# Altium PCB AN_IF_Converter_V1.0.PcbDoc (part 2 of 2)
Units mm, origin at the board's own origin, x right, y up, seen from the top; angles counter-clockwise.
Board outline 67.8 x 86.9 mm, 4 copper layers (Top Layer, Ground Plane, Power Plane, Bottom Layer), stack 1.466 mm thick; 149 components, 113 nets, 471 pads, 353 vias.
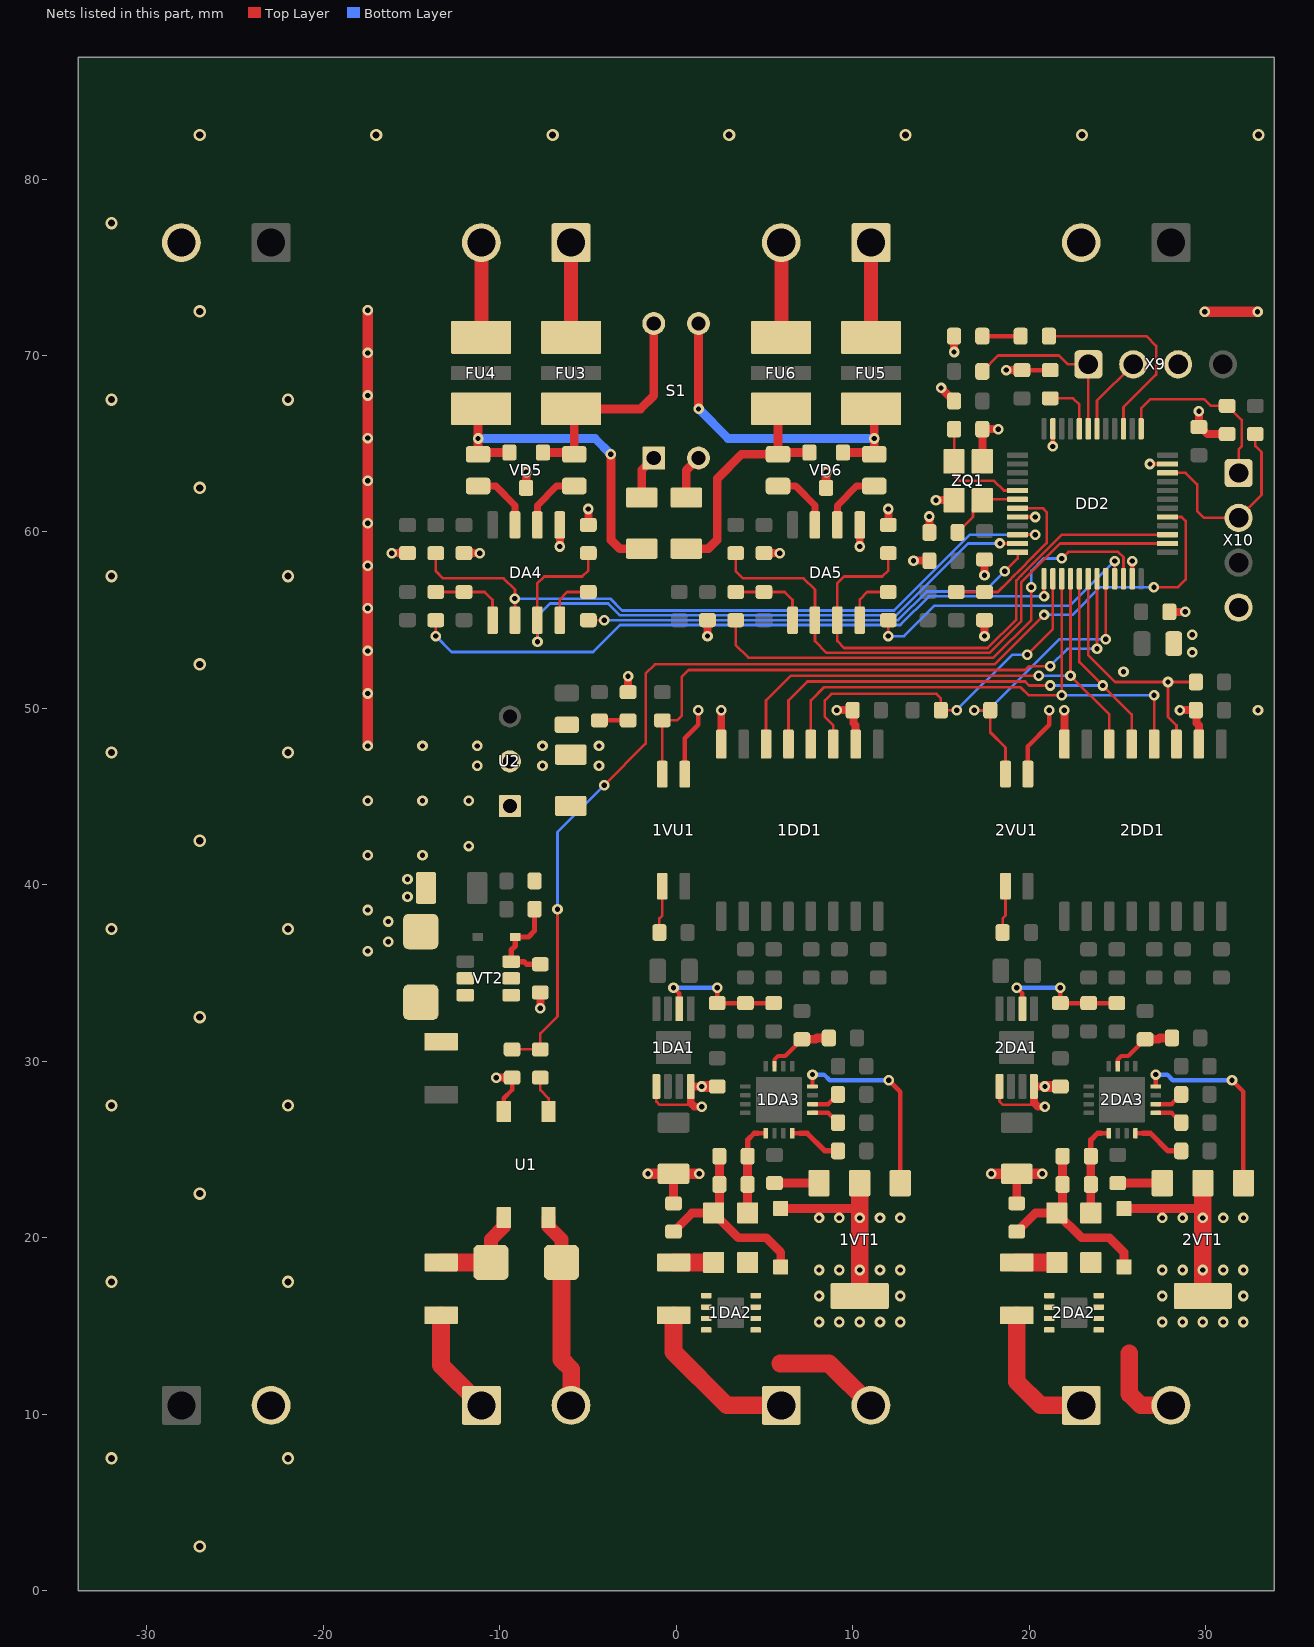
[diagram p4: the nets of this part, all layers, seen from the top]

## Via types
v1: diameter 0.6, hole 0.3, Top Layer to Bottom Layer, tented both sides, 284 vias
v2: diameter 0.7, hole 0.4, Top Layer to Bottom Layer, tented both sides, 59 vias
v3: diameter 0.6, hole 0.3, Top Layer to Bottom Layer, 10 vias

## Nets (pads, with @x,y where several pads share a name; then routed paths per layer and width w, separated by ;. In a path a pad name is that pad's centre, name@x,y a point inside that pad or via, vN(x,y) a via of type N, cw(c..) or ccw(c..) an arc to the next point about the centre after c; other vN are vias at no path point) (continued)
GND: 1C7.2 1DD1.2 1DD1.8 1VU1.3 2C7.2 2DD1.2 2DD1.8 2VU1.3 C14.2 C15.2 C16.2 C17.1 C18.1 C19.1 C20.1 C21.1 C22.1 C23.2 C24.2 C25.2 C26.2 C27.2 C28.1 C29.2 C30.2 DA4.5 DA5.5 DD2.8 DD2.23 DD2.35 DD2.47 HL1.1 HL2.1 R12.2 R16.2 R17.2 R29.2 R37.2 R40.2 U1.2 U2.2 VD5.3 VD6.3 VD8.2 X6.2 X7.2 X8.2 X9.3 X10.4 ZQ1.2 | length 79.3
  Top Layer w0.25: U1.2@-9.77,27.15 -9.77,27.905 -9.3,28.375 R12.2@-9.3,29.075 ; 1VU1.3@0.485,46.275 0.485,48.31 1.25,49.075 v1(1.25,49.9) ; DD2.8@19.35,60.85 v1(20.35,60.85) ; C20.1@19.6,69.175 R17.2@21.2,69.175 ; 2VU1.3@19.935,46.275 19.935,47.86 21.15,49.075 v1(21.15,49.9) ; v1(21.35,64.85) DD2.47@21.35,65.85 ; DD2.23@25.85,57.35 v1(25.85,58.35) ; v1(26.85,63.85) DD2.35@27.85,63.85
  Top Layer w0.45: v1(-16.125,58.8) C29.2@-15.225,58.8 ; C24.2@-12.025,58.8 v1(-11.125,58.8) ; v1(-10.2,29.075) R12.2@-9.3,29.075 ; v1(-7.7,33) R40.2@-7.7,33.9 ; v1@-6.595,59.18 DA4.5@-6.595,60.4 ; R29.2@-4.975,60.4 v1(-4.975,61.3) ; HL2.1@-2.725,50.925 v1(-2.725,51.825) ; v1(1.775,54.1) C30.2@1.775,55 ; 1DD1.8@2.555,47.975 v1@2.555,49.964 ; C25.2@4.975,58.8 v1(5.875,58.8) ; v1(9.1,49.9) 1C7.2@10,49.9 ; 1C7.2@10.045,49.875 10.045,49.175 10.175,49.045 1DD1.2@10.175,47.975 ; v1@10.405,59.18 DA5.5@10.405,60.4 ; R37.2@12.025,60.4 v1(12.025,61.3) ; v1(13.45,58.375) C23.2@14.35,58.375 ; C15.2@14.35,59.975 v1(14.35,60.875) ; v1(14.725,61.8) ZQ1.2@15.75,61.8 ; v1(15.012,68.162) C17.1@15.75,67.425 ; v1(15.75,70.2) HL1.1@15.75,71.1 ; ZQ1.2@17.35,64 C14.2@17.35,65.825 v1(18.25,65.825) ; v1(17.475,54.1) C16.2@17.475,55 ; v1(17.475,57.55) C22.1@17.475,58.45 ; v1(18.7,69.175) C20.1@19.6,69.175 ; 2DD1.8@22.005,47.975 v1@22.005,49.964 ; C18.1@27.95,55.475 v1(28.85,55.475) ; v1(28.55,49.9) 2C7.2@29.45,49.9 ; 2C7.2@29.495,49.875 29.495,49.175 29.625,49.045 2DD1.2@29.625,47.975 ; v1(29.625,66.85) C19.1@29.625,65.95 29.7,65.95 30.1,65.55 R16.2@31.225,65.55
  Top Layer w0.5: VD5.3@-8.5,62.5 v1(-8.5,63.4) ; VD6.3@8.5,62.5 v1(8.5,63.4)
  Top Layer w0.6: v1(-17.475,47.875) v1(-17.475,50.848) v1(-17.475,53.26) v1(-17.475,55.672) v1(-17.475,58.085) v1(-17.475,60.497) v1(-17.475,62.909) v1(-17.475,65.322) v1(-17.475,67.734) v1(-17.475,70.146) v1(-17.475,72.558) ; v1(29.95,72.475) v1(32.95,72.475)
  other v1: -17.475,36.25 -16.325,36.775 -16.325,37.925 -17.475,38.575 -15.225,39.325 -15.225,40.325 -17.475,41.675 -14.375,41.675 -11.75,42.2 -17.475,44.775 -14.375,44.775 -11.75,44.775 -11.275,46.75 -7.575,46.75 -4.375,46.75 -14.375,47.875 -11.275,47.875 -7.575,47.875 -4.375,47.875 2.55,49.9 22,49.9 32.975,49.9 25.35,52.075 29.25,53.175 29.25,54.175 -6.59,59.175 10.41,59.175
  other v2: -27,2.5 -32,7.5 -22,7.5 -32,17.5 -22,17.5 -27,22.5 -32,27.5 -22,27.5 -27,32.5 -32,37.5 -22,37.5 -27,42.5 -32,47.5 -22,47.5 -27,52.5 -32,57.5 -22,57.5 -27,62.5 -32,67.5 -22,67.5 -27,72.5 -32,77.5 -27,82.5 -17,82.5 -7,82.5 3,82.5 13,82.5 23,82.5 33,82.5
MCU_BOOT0: DD2.44 R17.1 | length 3.2
  Top Layer w0.15: R17.1@21.2,67.575 22.5,67.575 22.85,67.225 DD2.44@22.85,65.85
MCU_DAC1_nCS: 2DD1.3 DD2.18 R18.1 | length 14.8
  Top Layer w0.15: DD2.18@23.35,57.35 23.35,53.025 24.875,51.5 v1(27.875,51.5) ; 2DD1.3@28.355,47.975 28.355,49.045 27.875,49.525 v1(27.875,51.5) ; R18.1@29.45,51.5 v1(27.875,51.5)
MCU_DAC1_nERR: 2VU1.4 DD2.20 R20.1 | length 17.4
  Top Layer w0.15: v1(16.9,49.9) R20.1@17.8,49.9 ; R20.1@17.79,49.89 R20.1@17.8,49.9 ; 2VU1.4@18.665,46.275 18.665,47.785 17.8,48.65 R20.1@17.8,49.9 ; v1(24.35,53.925) DD2.20@24.35,57.35
  Bottom Layer w0.15: v1(16.9,49.9) 17.7,49.9 21.725,53.925 v1(24.35,53.925)
MCU_DAC2_nCS: 1DD1.3 DD2.14 R19.1 | length 21.3
  Top Layer w0.15: 1DD1.3@8.905,47.975 8.905,49.045 8.425,49.525 8.425,50.45 8.8,50.825 14.75,50.825 15,50.575 R19.1@15,49.9 v1(15.9,49.9) ; v1(19.9,53.05) 21.35,54.5 DD2.14@21.35,57.35
  Bottom Layer w0.15: v1(15.9,49.9) 19.05,53.05 v1(19.9,53.05)
MCU_DAC2_nERR: 1VU1.4 DD2.19 R21.1 | length 34.6
  Top Layer w0.15: 1VU1.4@-0.8,46.29 1VU1.4@-0.785,46.275 R21.1@-0.785,49.325 0.05,49.325 0.325,49.6 0.325,51.8 0.7,52.175 19.775,52.175 20,52.4 v1(21.2,52.4) ; v1(23.85,53.375) DD2.19@23.85,57.35
  Bottom Layer w0.15: v1(21.2,52.4) 22.175,53.375 v1(23.85,53.375)
MCU_DBG_RX: DD2.43 R13.1 X9.1 | length 10.3
  Top Layer w0.15: R13.1@17.35,69.1 18.25,70 21.7,70 22.2,69.5 X9.1@23.365,69.5 23.35,69.485 DD2.43@23.35,65.85
MCU_DBG_TX: DD2.42 X9.2 | length 4.5
  Top Layer w0.15: DD2.42@23.85,65.85 23.85,67.445 X9.2@25.905,69.5
MCU_LED: DD2.39 R14.1 | length 11.8
  Top Layer w0.15: R14.1@21.125,71.1 26.65,71.1 27.2,70.55 27.2,68.925 25.35,67.075 DD2.39@25.35,65.85
MCU_nRST: C16.1 DD2.7 R22.1 | length 9.8
  Top Layer w0.15: R22.1@15.875,56.6 C16.1@17.475,56.6 18.225,56.6 18.85,57.225 19.125,57.5 19.425,57.8 20.225,58.6 21,59.375 21,61.125 20.775,61.35 DD2.7@19.35,61.35
MCU_OCSIN: C14.1 DD2.5 ZQ1.3 | length 6.6
  Top Layer w0.15: C14.1@15.75,65.825 ZQ1.3@15.75,64 15.75,63.2 16.05,62.9 18.025,62.9 18.575,62.35 DD2.5@19.35,62.35
MCU_OCSOUT: C15.1 DD2.6 ZQ1.1 | length 3.7
  Top Layer w0.15: C15.1@15.95,59.975 16.825,60.85 ZQ1.1@16.825,61.3 ; ZQ1.1@17.35,61.8 17.4,61.85 DD2.6@19.35,61.85
MCU_PULSE: DD2.29 R11.2 R12.1 | length 62.6
  Top Layer w0.15: R12.1@-9.3,30.675 R11.2@-7.7,30.675 -7.7,31.575 -6.725,32.55 v1(-6.725,38.625) ; v1(-4.075,45.65) -1.725,48 -1.725,51.975 -1.2,52.5 18.05,52.5 v1(20.85,55.3) ; v1(27.075,56.875) 28.45,56.875 28.875,57.3 28.875,60.625 28.65,60.85 DD2.29@27.85,60.85
  Bottom Layer w0.15: v1(-6.725,38.625) -6.725,43 v1(-4.075,45.65) ; v1(20.85,55.3) 22.45,55.3 24.025,56.875 v1(27.075,56.875)
MCU_SPI1_MISO: 1DD1.6 2DD1.6 DD2.16 | length 30.6
  Top Layer w0.15: 1DD1.6@5.095,47.975 5.095,50.46 6.485,51.85 v1(20.55,51.85) ; DD2.16@22.35,57.35 v1(22.35,51.85) 24.545,49.655 2DD1.6@24.545,47.975
  Bottom Layer w0.15: v1(20.55,51.85) v1(22.35,51.85)
MCU_SPI1_MOSI: 1DD1.5 2DD1.5 DD2.17 | length 31.4
  Top Layer w0.15: 1DD1.5@6.365,47.975 6.365,50.46 7.43,51.525 19.775,51.525 20,51.3 v1(21.2,51.3) ; DD2.17@22.85,57.35 22.85,52.62 25.815,49.655 2DD1.5@25.815,47.975
  Bottom Layer w0.15: v1(21.2,51.3) v1(24.175,51.3)
MCU_SPI1_SCK: 1DD1.4 2DD1.4 DD2.15 | length 31.8
  Top Layer w0.15: 1DD1.4@7.635,47.975 7.635,50.46 8.375,51.2 19.525,51.2 19.975,50.75 v1(21.85,50.75) DD2.15@21.85,57.35 ; 2DD1.4@27.085,47.975 v1(27.085,50.75)
  Bottom Layer w0.15: v1(21.85,50.75) v1(27.085,50.75)
MCU_SWCLK: DD2.37 R16.1 X10.1 | length 10.6
  Top Layer w0.15: DD2.37@26.35,65.85 26.35,67 26.875,67.525 29.925,67.525 30.3,67.15 R16.1@31.225,67.15 31.254,67.15 32.05,66.354 32.05,64.85 31.875,64.675 X10.1@31.875,63.34
MCU_SWDIO: DD2.34 R15.1 X10.2 | length 11.4
  Top Layer w0.15: DD2.34@27.85,63.35 28.875,63.35 29.525,62.7 29.525,61.2 29.925,60.8 X10.2@31.875,60.8 33.175,62.1 33.175,64.525 32.825,64.875 R15.1@32.825,65.55
MCU_UART2_DE: DA4.3 DD2.11 R29.1 | length 38.4
  Top Layer w0.15: v1@-7.865,53.775 DA4.3@-7.865,55 -7.875,55.01 -7.875,57.075 -7.475,57.475 -5.325,57.475 -4.975,57.825 R29.1@-4.975,58.8 ; v1(18.35,59.35) DD2.11@19.35,59.35
  Bottom Layer w0.15: v1(-7.86,53.775) -7.86,55.24 -7.15,55.95 -3.85,55.95 -3.175,55.275 12.464,55.275 16.539,59.35 v1(18.35,59.35)
MCU_UART2_nRE: DA4.2 DD2.10 R23.2 | length 40.2
  Top Layer w0.15: R23.2@-13.625,58.8 -13.625,57.775 -13.225,57.375 -9.775,57.375 -9.135,56.735 DA4.2@-9.135,55 ; DD2.10@19.35,59.85 v1(20.35,59.85)
  Bottom Layer w0.15: v1(-9.14,56.225) -3.736,56.225 -3.061,55.55 12.35,55.55 16.65,59.85 v1(20.35,59.85)
MCU_UART2_RX: DD2.13 R26.2 | length 38.1
  Top Layer w0.15: v1(-13.625,54.1) R26.2@-13.625,55 ; v1(20.85,56.35) DD2.13@20.85,57.35
  Bottom Layer w0.15: v1(-13.625,54.1) -12.725,53.2 -4.7,53.2 -3.175,54.725 12.692,54.725 12.742,54.775 14.317,56.35 19.75,56.35 v1(20.85,56.35)
MCU_UART2_TX: DD2.12 R28.2 | length 26.1
  Top Layer w0.15: R28.2@-4.975,55 v1(-4.075,55) ; v1(18.625,57.775) 19.35,58.5 DD2.12@19.35,58.85
  Bottom Layer w0.15: v1(-4.075,55) 12.578,55 14.203,56.625 17.475,56.625 v1(18.625,57.775)
MCU_UART3_DE: DA5.3 DD2.27 R37.1 | length 30.3
  Top Layer w0.15: R37.1@12.025,58.8 12.025,57.825 11.675,57.475 9.525,57.475 9.125,57.075 9.125,55.01 DA5.3@9.135,55 9.135,53.815 9.525,53.425 17.65,53.425 19.275,55.05 19.275,57.261 19.55,57.536 21.864,59.85 DD2.27@27.85,59.85
MCU_UART3_nRE: DA5.2 DD2.26 R31.2 | length 33
  Top Layer w0.15: R31.2@3.375,58.8 3.375,57.775 3.775,57.375 7.225,57.375 7.865,56.735 DA5.2@7.865,55 7.865,53.81 8.525,53.15 17.375,53.15 17.764,53.15 19.55,54.936 19.55,57.147 21.753,59.35 DD2.26@27.85,59.35
MCU_UART3_RX: DD2.22 R34.2 | length 29.1
  Top Layer w0.15: R34.2@3.375,55 3.375,53.6 4.1,52.875 17.975,52.875 20.125,55.025 v1(20.125,56.875) ; v1(21.85,58.5) 22.225,58.875 25.05,58.875 25.35,58.575 DD2.22@25.35,57.35
  Bottom Layer w0.15: v1(20.125,56.875) 20.125,57.8 20.825,58.5 v1(21.85,58.5)
MCU_UART3_TX: DD2.21 R36.2 | length 16.5
  Top Layer w0.15: v1(12.025,54.1) R36.2@12.025,55 ; DD2.21@24.85,57.35 v1(24.85,58.35)
  Bottom Layer w0.15: v1(12.025,54.1) 12.925,54.1 14.65,55.825 22.325,55.825 v1(24.85,58.35)
Net1C1_2: 1C1.2 1DA1.2 1R1.2 1R2.1 | length 7.9
  Top Layer w0.25: v1(-0.15,34.175) 0.175,33.85 1DA1.2@0.175,32.975 ; v1(2.325,34.175) 1R1.2@2.325,33.3 1R2.1@5.525,33.3
  Bottom Layer w0.25: v1(-0.15,34.175) v1(2.325,34.175)
Net1C3_2: 1C3.2 1C4.1 1DA1.5 1DA1.8 1R3.1 | length 10.7
  Top Layer w0.15: 1DA1.5@-1.125,28.575 -1.125,27.725 -0.938,27.538 0.937,27.538
  Top Layer w0.45: v1(1.45,27.425) 1.05,27.425 0.937,27.538 0.825,27.65 1DA1.8@0.825,28.575 v1(1.45,28.575)
  Top Layer w0.5: 1R3.1@-0.15,21.95 1C4.1@-0.15,23.625
  Top Layer w0.6: v1(-1.6,23.625) 1C4.1@-0.15,23.625 v1(1.3,23.625) ; v1(1.45,28.575) 1C3.2@2.325,28.575
Net1C5_1: 1C5.1 1DA3.3 1R4.2 | length 4
  Top Layer w0.25: 1DA3.3@5.575,29.725 5.575,30.1 5.775,30.3 6.175,30.3 1C5.1@7.125,31.25
  Top Layer w0.5: 1C5.1@7.125,31.25 7.9,31.25 7.975,31.325 1R4.2@8.65,31.325
Net1C9_1: 1C9.1 1C10.1 1R3.2 1VD1.1 1VD2.1 | length 11.6
  Top Layer w0.5: 1R3.2@-0.15,20.35 0.9,21.4 1VD2.1@2.125,21.4 ; 1C9.1@2.45,24.625 1C10.1@2.45,23.025 2.45,21.725 1VD2.1@2.125,21.4 ; 1VD1.1@5.925,18.35 5.925,19.175 5.1,20 3.525,20 1VD2.1@2.125,21.4
Net1C9_2: 1C9.2 1C10.2 1DA3.9 1VD3.2 | length 5.3
  Top Layer w0.25: 4.625,25.925 1DA3.9@5.075,25.925
  Top Layer w0.3: 1C9.2@4.05,24.625 4.05,25.55 4.425,25.925 4.625,25.925
  Top Layer w0.5: 1VD3.2@4.05,21.4 1C10.2@4.05,23.025 1C9.2@4.05,24.625
Net1C11_2: 1C11.2 1DA3.12 | length 3
  Top Layer w0.25: 1DA3.12@6.575,25.925 7.025,25.925
  Top Layer w0.3: 7.025,25.925 7.425,25.925 8.425,24.925 1C11.2@9.175,24.925
Net1C12_2: 1C12.2 1DA3.13 | length 1.7
  Top Layer w0.25: 1DA3.13@7.725,27.075 8.625,27.075 1C12.2@9.175,26.525
Net1C13_2: 1C13.2 1DA3.14 | length 1.7
  Top Layer w0.25: 1DA3.14@7.725,27.575 8.625,27.575 1C13.2@9.175,28.125
Net1DA2_1: 1DA2.1 1DA2.2 1DA2.3 1DA2.4 1FU1.2 1VD2.2 | length 2.3
  Top Layer w1: 1FU1.2@-0.15,18.6 1VD2.2@2.125,18.6
Net1DA2_5: 1DA2.5 1DA2.6 1DA2.7 1DA2.8 1VD3.1 X4.2 | length 6.1
  Top Layer w1: 5.9,12.875 8.665,12.875 X4.2@11.04,10.5
Net1DA3_16: 1DA3.16 1VT1.1 | length 11.2
  Top Layer w0.25: 1DA3.16@7.725,28.575 v1(7.725,29.25) ; v1(12.05,28.925) 12.7,28.275 1VT1.1@12.7,23.1
  Bottom Layer w0.25: v1(7.725,29.25) 8.375,29.25 8.7,28.925 v1(12.05,28.925)
Net1FU1_1: 1FU1.1 X4.1 | length 9.4
  Top Layer w1: 1FU1.1@-0.15,15.6 -0.15,13.525 2.875,10.5 X4.1@5.96,10.5
Net1R5_1: 1R5.1 1VT1.3 | length 2.5
  Top Layer w0.5: 1R5.1@5.575,23.1 1VT1.3@8.1,23.1
Net1R10_2: 1R10.2 1VU1.1 | length 2.7
  Top Layer w0.15: 1R10.2@-0.95,37.3 -0.95,38.1 -0.785,38.265 1VU1.1@-0.785,39.925
Net1VD1_2: 1VD1.2 1VT1.2 1VT1.4 | length 10.9
  Top Layer w0.5: 1VD1.2@5.925,21.65 10.4,21.65
  Top Layer w1: 1VT1.4@10.4,16.7 10.4,21.65 1VT1.2@10.4,23.1
  other v1: 8.1,15.225 9.25,15.225 10.4,15.225 11.55,15.225 12.7,15.225 8.1,16.7 12.7,16.7 8.1,18.175 9.25,18.175 10.4,18.175 11.55,18.175 12.7,18.175 8.1,21.125 9.25,21.125 10.4,21.125 11.55,21.125 12.7,21.125
Net2C1_2: 2C1.2 2DA1.2 2R1.2 2R2.1 | length 7.9
  Top Layer w0.25: v1(19.3,34.175) 19.625,33.85 2DA1.2@19.625,32.975 ; v1(21.775,34.175) 2R1.2@21.775,33.3 2C1.2@23.375,33.3 2R2.1@24.975,33.3
  Bottom Layer w0.25: v1(19.3,34.175) v1(21.775,34.175)
Net2C3_2: 2C3.2 2C4.1 2DA1.5 2DA1.8 2R3.1 | length 10.7
  Top Layer w0.15: 2DA1.5@18.325,28.575 18.325,27.725 18.512,27.538 20.387,27.538
  Top Layer w0.45: v1(20.9,27.425) 20.5,27.425 20.387,27.538 20.275,27.65 2DA1.8@20.275,28.575 v1(20.9,28.575)
  Top Layer w0.5: 2R3.1@19.3,21.95 2C4.1@19.3,23.625
  Top Layer w0.6: v1(17.85,23.625) 2C4.1@19.3,23.625 v1(20.75,23.625) ; v1(20.9,28.575) 2C3.2@21.775,28.575
Net2C5_1: 2C5.1 2DA3.3 2R4.2 | length 4
  Top Layer w0.25: 2DA3.3@25.025,29.725 25.025,30.1 25.225,30.3 25.625,30.3 2C5.1@26.575,31.25
  Top Layer w0.5: 2C5.1@26.575,31.25 27.35,31.25 27.425,31.325 2R4.2@28.1,31.325
Net2C9_1: 2C9.1 2C10.1 2R3.2 2VD1.1 2VD2.1 | length 11.6
  Top Layer w0.5: 2R3.2@19.3,20.35 20.35,21.4 2VD2.1@21.575,21.4 ; 2C9.1@21.9,24.625 2C10.1@21.9,23.025 21.9,21.725 2VD2.1@21.575,21.4 ; 2VD1.1@25.375,18.35 25.375,19.175 24.55,20 22.975,20 2VD2.1@21.575,21.4
Net2C9_2: 2C9.2 2C10.2 2DA3.9 2VD3.2 | length 5.3
  Top Layer w0.25: 24.075,25.925 2DA3.9@24.525,25.925
  Top Layer w0.3: 2C9.2@23.5,24.625 23.5,25.55 23.875,25.925 24.075,25.925
  Top Layer w0.5: 2VD3.2@23.5,21.4 2C10.2@23.5,23.025 2C9.2@23.5,24.625
Net2C11_2: 2C11.2 2DA3.12 | length 3
  Top Layer w0.25: 2DA3.12@26.025,25.925 26.475,25.925
  Top Layer w0.3: 26.475,25.925 26.875,25.925 27.875,24.925 2C11.2@28.625,24.925
Net2C12_2: 2C12.2 2DA3.13 | length 1.7
  Top Layer w0.25: 2DA3.13@27.175,27.075 28.075,27.075 2C12.2@28.625,26.525
Net2C13_2: 2C13.2 2DA3.14 | length 1.7
  Top Layer w0.25: 2DA3.14@27.175,27.575 28.075,27.575 2C13.2@28.625,28.125
Net2DA2_1: 2DA2.1 2DA2.2 2DA2.3 2DA2.4 2FU1.2 2VD2.2 | length 2.3
  Top Layer w1: 2FU1.2@19.3,18.6 2VD2.2@21.575,18.6
Net2DA2_5: 2DA2.5 2DA2.6 2DA2.7 2DA2.8 2VD3.1 X1.2 | length 4.9
  Top Layer w1: 25.675,13.45 25.675,11.15 26.325,10.5 X1.2@28.04,10.5
Net2DA3_16: 2DA3.16 2VT1.1 | length 11.2
  Top Layer w0.25: 2DA3.16@27.175,28.575 v1(27.175,29.25) ; v1(31.5,28.925) 32.15,28.275 2VT1.1@32.15,23.1
  Bottom Layer w0.25: v1(27.175,29.25) 27.825,29.25 28.15,28.925 v1(31.5,28.925)
Net2FU1_1: 2FU1.1 X1.1 | length 8
  Top Layer w1: 2FU1.1@19.3,15.6 19.3,11.85 20.65,10.5 X1.1@22.96,10.5
Net2R5_1: 2R5.1 2VT1.3 | length 2.5
  Top Layer w0.5: 2R5.1@25.025,23.1 2VT1.3@27.55,23.1
Net2R10_2: 2R10.2 2VU1.1 | length 2.7
  Top Layer w0.15: 2R10.2@18.5,37.3 18.5,38.1 18.665,38.265 2VU1.1@18.665,39.925
Net2VD1_2: 2VD1.2 2VT1.2 2VT1.4 | length 10.9
  Top Layer w0.5: 2VD1.2@25.375,21.65 29.85,21.65
  Top Layer w1: 2VT1.4@29.85,16.7 29.85,21.65 2VT1.2@29.85,23.1
  other v1: 27.55,15.225 28.7,15.225 29.85,15.225 31,15.225 32.15,15.225 27.55,16.7 32.15,16.7 27.55,18.175 28.7,18.175 29.85,18.175 31,18.175 32.15,18.175 27.55,21.125 28.7,21.125 29.85,21.125 31,21.125 32.15,21.125
NetC27_1: C27.1 L2.2 U2.1
NetDA4_1: DA4.1 R24.2 R26.1 | length 4.6
  Top Layer w0.15: R26.1@-13.625,56.6 R24.2@-12.025,56.6 -10.85,56.6 -10.405,56.155 DA4.1@-10.405,55
NetDA4_4: DA4.4 R28.1 | length 3
  Top Layer w0.15: DA4.4@-6.595,55 -6.595,56.18 -6.175,56.6 R28.1@-4.975,56.6
NetDA4_6: DA4.6 R25.2 | length 3.7
  Top Layer w0.4: DA4.6@-7.865,60.4 -7.865,61.51 -6.775,62.6 R25.2@-5.775,62.6
NetDA4_7: DA4.7 R27.2 | length 3.7
  Top Layer w0.4: R27.2@-11.225,62.6 -10.225,62.6 -9.135,61.51 DA4.7@-9.135,60.4
NetDA5_1: DA5.1 R32.2 R34.1 | length 4.6
  Top Layer w0.15: R34.1@3.375,56.6 R32.2@4.975,56.6 6.15,56.6 6.595,56.155 DA5.1@6.595,55
NetDA5_4: DA5.4 R36.1 | length 3
  Top Layer w0.15: DA5.4@10.405,55 10.405,56.18 10.825,56.6 R36.1@12.025,56.6
NetDA5_6: DA5.6 R33.2 | length 3.7
  Top Layer w0.4: DA5.6@9.135,60.4 9.135,61.51 10.225,62.6 R33.2@11.225,62.6
NetDA5_7: DA5.7 R35.2 | length 3.7
  Top Layer w0.4: R35.2@5.775,62.6 6.775,62.6 7.865,61.51 DA5.7@7.865,60.4
NetFU2_1: FU2.1 X5.1 | length 6
  Top Layer w1: FU2.1@-13.325,15.6 -13.325,12.785 X5.1@-11.04,10.5
NetFU2_2: FU2.2 U1.3 VD4.2 | length 5.7
  Top Layer w0.8: VD4.2@-10.5,18.6 -10.5,19.9 -9.77,20.63 U1.3@-9.77,21.15
  Top Layer w1: FU2.2@-13.325,18.6 VD4.2@-10.5,18.6
NetFU3_1: FU3.1 R25.1 S1.4 VD5.1 | length 13.2
  Top Layer w0.5: VD5.1@-7.55,64.5 -5.875,64.5 R25.1@-5.775,64.4 FU3.1@-5.775,66.8 ; FU3.1@-5.95,66.975 -2.02,66.975 -1.27,67.725 S1.4@-1.27,71.765
NetFU4_1: FU4.1 R27.1 R30.2 VD5.2 | length 19
  Top Layer w0.5: R27.1@-11.225,64.4 -11.225,66.8 FU4.1@-11.05,66.975 ; R27.1@-11.125,64.5 VD5.2@-9.45,64.5 ; v1(-3.7,64.4) -3.7,59.55 -3.2,59.05 R30.2@-1.95,59.05
  Bottom Layer w0.5: v1(-11.225,65.3) -4.6,65.3 v1(-3.7,64.4)
NetFU5_1: FU5.1 R33.1 S1.3 VD6.1 | length 19.7
  Top Layer w0.5: v1(1.27,66.975) S1.3@1.27,71.765 ; VD6.1@9.45,64.5 11.125,64.5 R33.1@11.225,64.4 v1(11.225,65.3) FU5.1@11.225,66.8
  Bottom Layer w0.5: v1(1.27,66.975) 2.945,65.3 v1(11.225,65.3)
NetFU6_1: FU6.1 R35.1 R38.2 VD6.2 | length 13.8
  Top Layer w0.5: R38.2@0.575,59.05 1.825,59.05 2.325,59.55 2.325,63.025 3.7,64.4 R35.1@5.775,64.4 5.775,66.8 FU6.1@5.95,66.975 ; R35.1@5.875,64.5 VD6.2@7.55,64.5
NetFU7_1: FU7.1 VD8.1 VT2.1 VT2.2 VT2.5 VT2.6
NetHL1_2: HL1.2 R14.2 | length 2.2
  Top Layer w0.25: HL1.2@17.35,71.1 R14.2@19.525,71.1
NetHL2_2: HL2.2 R41.2 | length 1.6
  Top Layer w0.25: R41.2@-4.35,49.325 HL2.2@-2.725,49.325
NetR11_1: R11.1 U1.1 | length 2.1
  Top Layer w0.15: R11.1@-7.7,29.075 -7.7,28.375 -7.23,27.905 U1.1@-7.23,27.15
NetR30_1: R30.1 S1.1 | length 2.5
  Top Layer w0.5: R30.1@-1.95,61.95 -1.95,63.51 S1.1@-1.27,64.19
NetR38_1: R38.1 S1.2 | length 2.5
  Top Layer w0.5: R38.1@0.575,61.95 0.575,63.495 S1.2@1.27,64.19
NetR39_2: R39.2 R40.1 VD7.2 VT2.3 | length 5.7
  Top Layer w0.3: R39.2@-8.025,38.625 -8.025,37.4 -8.375,37.05 VD7.2@-9.115,37.05 -9.115,36.535 -9.35,36.3 VT2.3@-9.35,35.65 -8.625,35.65 -8.475,35.5 R40.1@-7.7,35.5
NetU1_4: U1.4 VD4.1 X5.2 | length 11.2
  Top Layer w0.8: U1.4@-7.23,21.15 -7.23,20.63 -6.5,19.9 VD4.1@-6.5,18.6
  Top Layer w1: VD4.1@-6.5,18.6 -6.5,13.1 -5.95,12.55 -5.95,10.51 X5.2@-5.96,10.5
RS485_A_N: FU4.3 X2.2 | length 5.4
  Top Layer w0.5: FU4.3@-11.05,71.025 FU4.3@-11.04,71.035
  Top Layer w0.8: FU4.3@-11.04,71.035 X2.2@-11.04,76.4
RS485_A_P: FU3.3 X2.1 | length 5.4
  Top Layer w0.5: FU3.3@-5.96,71.035 FU3.3@-5.95,71.025
  Top Layer w0.8: FU3.3@-5.96,71.035 X2.1@-5.96,76.4
RS485_B_N: FU6.3 X3.2 | length 5.4
  Top Layer w0.8: FU6.3@5.96,71.035 X3.2@5.96,76.4
RS485_B_P: FU5.3 X3.1 | length 5.4
  Top Layer w0.8: FU5.3@11.04,71.035 X3.1@11.04,76.4
pads on no net: 1DA1.3 1DA1.6 1DA1.7 1DA3.11 2DA1.3 2DA1.6 2DA1.7 2DA3.11 DD2.2 DD2.3 DD2.4 DD2.25 DD2.28 DD2.30 DD2.31 DD2.32 DD2.33 DD2.38 DD2.40 DD2.41 DD2.45 DD2.46 FU3.2 FU4.2 FU5.2 FU6.2

## Polygon pours and split planes (outlines as drawn)
GND on Bottom Layer "GND_L04_P004" (solid, remove dead copper, pour order 4): -17.875,28.625 -18.125,28.875 -18.125,72.825 -17.875,73.075 34.775,73.075 34.775,49.575 -0.15,49.575 -4.075,45.65 -6.725,43 -6.725,28.875 -6.975,28.625
GND on Bottom Layer "GND_L04_P003" (solid, remove dead copper, pour order 3): -35,-1.15 -35,87.8 34.775,87.8 34.775,74.075 17.25,74.075 17,74.325 17,78.375 16.752,78.623 -18.927,78.623 -19.183,78.367 -19.183,-1.15
2GND_IF on Bottom Layer "2GND_IF_L04_P002" (solid, remove dead copper, pour order 2): 17.55,22.725 17.8,22.475 32.275,22.475 32.525,22.725 32.525,43.85 32.275,44.1 21.95,44.1 17.55,39.7
1GND_IF on Bottom Layer "1GND_IF_L04_P001" (solid, remove dead copper, pour order 1): -1.9,22.725 -1.65,22.475 12.825,22.475 13.075,22.725 13.075,43.85 12.825,44.1 2.5,44.1 -1.9,39.7
+24V on Top Layer "+24V_L01_P000" (solid, remove dead copper, pour order 0): -35,-1.15 -35,87.8 34.775,87.8 34.775,74.075 17.25,74.075 17,74.325 17,78.375 16.752,78.623 -18.927,78.623 -19.183,78.367 -19.183,-1.15
Net2C3_2 on Power Plane (split plane): 21.849,23.001 17.551,23.001 17.551,24.799 19.8,24.799 19.839,24.804 19.876,24.819 19.907,24.843 19.931,24.874 19.946,24.911 19.951,24.95 19.951,29.199 21.849,29.199
+3.3V_IF2 on Power Plane (split plane): 5.724,53.601 1.126,53.601 1.126,61.924 5.724,61.924
2VDD_IF on Power Plane (split plane): 33.498,0.402 17.551,0.402 17.551,22.699 22,22.699 22.039,22.704 22.076,22.719 22.107,22.743 22.131,22.774 22.146,22.811 22.151,22.85 22.151,29.35 22.146,29.389 22.131,29.426 22.107,29.457 22.076,29.481 22.039,29.496 22,29.501 19.8,29.501 19.761,29.496 19.724,29.481 19.693,29.457 19.669,29.426 19.654,29.389 19.649,29.35 19.649,25.101 17.551,25.101 17.551,42.854 17.871,43.174 21.075,43.174 21.095,43.178 21.111,43.189 21.971,44.049 33.498,44.049
1VDD_IF on Power Plane (split plane): 14.449,43.729 14.449,0.402 0.551,0.402 0.551,12.075 0.547,12.095 0.536,12.111 -1.899,14.546 -1.899,22.699 2.55,22.699 2.589,22.704 2.626,22.719 2.657,22.743 2.681,22.774 2.696,22.811 2.701,22.85 2.701,29.35 2.696,29.389 2.681,29.426 2.657,29.457 2.626,29.481 2.589,29.496 2.55,29.501 0.35,29.501 0.311,29.496 0.274,29.481 0.243,29.457 0.219,29.426 0.204,29.389 0.199,29.35 0.199,25.101 -1.899,25.101 -1.899,42.304 -1.029,43.174 1.625,43.174 1.645,43.178 1.661,43.189 2.521,44.049 14.129,44.049
+3.3V on Power Plane (split plane): 33.498,47.151 21.575,47.151 21.555,47.147 21.539,47.136 20.664,46.261 20.653,46.245 20.649,46.225 20.649,45.596 20.429,45.376 18.171,45.376 17.951,45.596 17.951,46.225 17.947,46.245 17.936,46.261 17.061,47.136 17.045,47.147 17.025,47.151 2.125,47.151 2.105,47.147 2.089,47.136 1.214,46.261 1.203,46.245 1.199,46.225 1.199,45.596 0.979,45.376 -2.275,45.376 -2.295,45.372 -2.311,45.361 -3.761,43.911 -4.986,42.686 -4.997,42.67 -5.001,42.65 -5.001,25.951 -10.973,25.951 -10.973,30.175 -10.982,30.273 -11.011,30.367 -11.057,30.454 -11.12,30.53 -11.196,30.593 -11.283,30.639 -11.377,30.668 -11.475,30.677 -18.148,30.677 -18.148,73.073 33.498,73.073
+3.3V_IF1 on Power Plane (split plane): -11.276,53.601 -13.474,53.601 -13.474,55.825 -13.479,55.864 -13.494,55.901 -13.518,55.932 -13.549,55.956 -13.586,55.971 -13.625,55.976 -15.874,55.976 -15.874,61.924 -11.276,61.924
+24V on Power Plane (split plane): 33.498,74.077 -18.65,74.077 -18.748,74.068 -18.842,74.039 -18.929,73.993 -19.005,73.93 -19.068,73.854 -19.114,73.767 -19.143,73.673 -19.152,73.575 -19.152,30.175 -19.143,30.077 -19.114,29.983 -19.068,29.896 -19.005,29.82 -18.929,29.757 -18.842,29.711 -18.748,29.682 -18.65,29.673 -11.977,29.673 -11.977,25.951 -19.1,25.951 -19.12,25.947 -19.136,25.936 -19.147,25.92 -19.151,25.9 -19.151,0.402 -33.498,0.402 -33.498,86.498 33.498,86.498
Net1C3_2 on Power Plane (split plane): 2.399,23.001 -1.899,23.001 -1.899,24.799 0.35,24.799 0.389,24.804 0.426,24.819 0.457,24.843 0.481,24.874 0.496,24.911 0.501,24.95 0.501,29.199 2.399,29.199
1GND_IF on Ground Plane (split plane): 1.199,40.604 1.199,39.975 1.203,39.955 1.214,39.939 2.089,39.064 2.105,39.053 2.125,39.049 14.229,39.049 14.449,38.829 14.449,0.402 0.551,0.402 0.551,12.075 0.547,12.095 0.536,12.111 -1.899,14.546 -1.899,40.504 -1.579,40.824 0.979,40.824
2GND_IF on Ground Plane (split plane): 20.649,40.604 20.649,39.975 20.653,39.955 20.664,39.939 21.539,39.064 21.555,39.053 21.575,39.049 33.498,39.049 33.498,0.402 17.551,0.402 17.551,40.604 17.771,40.824 20.429,40.824
GND on Ground Plane (split plane): 33.498,74.077 -18.65,74.077 -18.748,74.068 -18.842,74.039 -18.929,73.993 -19.005,73.93 -19.068,73.854 -19.114,73.767 -19.143,73.673 -19.152,73.575 -19.152,49.525 -19.143,49.427 -19.114,49.333 -19.068,49.246 -19.005,49.17 -18.929,49.107 -18.842,49.061 -18.748,49.032 -18.65,49.023 -18.552,49.032 -18.458,49.061 -18.371,49.107 -18.295,49.17 -18.232,49.246 -18.186,49.333 -18.157,49.427 -18.148,49.525 -18.148,73.073 33.498,73.073 33.498,42.151 21.971,42.151 21.111,43.011 21.095,43.022 21.075,43.026 15.875,43.026 15.855,43.022 15.849,43.018 15.839,43.011 14.979,42.151 2.521,42.151 1.661,43.011 1.645,43.022 1.625,43.026 -3.575,43.026 -3.595,43.022 -3.611,43.011 -4.986,41.636 -4.997,41.62 -5.001,41.6 -5.001,25.951 -18.148,25.951 -18.148,44.45 -18.157,44.548 -18.186,44.642 -18.232,44.729 -18.295,44.805 -18.371,44.868 -18.458,44.914 -18.552,44.943 -18.65,44.952 -18.748,44.943 -18.842,44.914 -18.929,44.868 -19.005,44.805 -19.068,44.729 -19.114,44.642 -19.143,44.548 -19.152,44.45 -19.152,25.6 -19.151,25.585 -19.151,0.402 -33.498,0.402 -33.498,86.498 33.498,86.498

## Keep-outs
Keep-Out Layer:
  the board outline again, w0.15

## Other copper
Top Layer:
  region net 1VDD_IF: 1.7,35.525 0.75,35.525 0.75,34.825 1.7,34.825
  region net 2VDD_IF: 21.15,35.525 20.2,35.525 20.2,34.825 21.15,34.825
  pour cut-out: 21.36,76.4 ccw(c22.96,76.4) 22.96,74.8 ccw(c22.96,76.4) 24.56,76.4 ccw(c22.96,76.4) 22.96,78 ccw(c22.96,76.4)
  pour cut-out: -29.64,76.4 ccw(c-28.04,76.4) -28.04,74.8 ccw(c-28.04,76.4) -26.44,76.4 ccw(c-28.04,76.4) -28.04,78 ccw(c-28.04,76.4)
  pour cut-out: -24.56,10.5 ccw(c-22.96,10.5) -22.96,8.9 ccw(c-22.96,10.5) -21.36,10.5 ccw(c-22.96,10.5) -22.96,12.1 ccw(c-22.96,10.5)
  region net +24V: -16.05,26.5 -15.8,26.25 -12.25,26.25 -12,26.5 -12,28.875 -12.25,29.125 -15.8,29.125 -16.05,28.875
  region net Net1VD1_2: 7.15,14.125 7.15,21.65 7.4,21.9 13.675,21.9 13.925,21.65 13.925,14.125 13.675,13.875 7.4,13.875
  region net 1PAD: 2.3,13.475 2.4,13.375 3.8,13.375 3.9,13.475 3.9,17.525 3.8,17.625 2.4,17.625 2.3,17.525
  region net Net2VD1_2: 26.6,14.125 26.6,21.65 26.85,21.9 33.125,21.9 33.375,21.65 33.375,14.125 33.125,13.875 26.85,13.875
  region net Net1DA2_5: 4.15,12.525 4.15,17.725 3.875,18 3.875,19.2 4.8,19.2 4.9,19.1 4.9,17.525 5.05,17.375 6.575,17.375 6.725,17.225 6.725,12.525 6.575,12.375 4.3,12.375
  region net Net1DA2_1: 1.3,13.475 1.4,13.375 1.95,13.375 2.05,13.475 2.05,18.475 1.3,18.475
  region net 2PAD: 21.75,13.475 21.85,13.375 23.25,13.375 23.35,13.475 23.35,17.525 23.25,17.625 21.85,17.625 21.75,17.525
  region net Net2DA2_1: 20.75,13.475 20.85,13.375 21.4,13.375 21.5,13.475 21.5,18.475 20.75,18.475
  region net Net2DA2_5: 23.6,12.525 23.6,17.725 23.325,18 23.325,19.2 24.25,19.2 24.35,19.1 24.35,17.525 24.5,17.375 26.025,17.375 26.175,17.225 26.175,12.525 26.025,12.375 23.75,12.375
  region net NetFU5_1: 14.625,65.55 14.625,67.65 14.375,67.9 8.9,67.9 8.65,67.65 8.65,65.55 8.9,65.3 14.375,65.3
  region net NetFU6_1: 2.375,65.55 2.375,67.65 2.625,67.9 8.1,67.9 8.35,67.65 8.35,65.55 8.1,65.3 2.625,65.3
  region net NetFU3_1: -2.375,65.55 -2.375,67.65 -2.625,67.9 -8.1,67.9 -8.35,67.65 -8.35,65.55 -8.1,65.3 -2.625,65.3
  region net NetFU4_1: -14.625,65.55 -14.625,67.65 -14.375,67.9 -8.9,67.9 -8.65,67.65 -8.65,65.55 -8.9,65.3 -14.375,65.3
  region net RS485_B_P: 8.9,70.1 8.65,70.35 8.65,73.55 8.9,73.8 14.375,73.8 14.625,73.55 14.625,70.35 14.375,70.1
  region net RS485_B_N: 8.1,70.1 8.35,70.35 8.35,73.55 8.1,73.8 2.625,73.8 2.375,73.55 2.375,70.35 2.625,70.1
  region net RS485_A_N: -8.9,70.1 -8.65,70.35 -8.65,73.55 -8.9,73.8 -14.375,73.8 -14.625,73.55 -14.625,70.35 -14.375,70.1
  region net RS485_A_P: -8.1,70.1 -8.35,70.35 -8.35,73.55 -8.1,73.8 -2.625,73.8 -2.375,73.55 -2.375,70.35 -2.625,70.1
  region net 1GND_IF: -1.9,29.875 -1.7,29.675 1.25,29.675 1.45,29.875 1.45,31.675 1.25,31.875 -1.7,31.875 -1.9,31.675
  region net 2GND_IF: 17.55,29.875 17.75,29.675 20.7,29.675 20.9,29.875 20.9,31.675 20.7,31.875 17.75,31.875 17.55,31.675
  region net GND: -7.5,48.05 -7.5,48.275 -7.3,48.475 -7.3,49.55 -7.1,49.75 -5.3,49.75 -5.1,49.55 -5.1,48.475 -4.9,48.275 -4.9,48.05
  region net GND: -17.875,35.875 -13.4,35.875 -13.15,36.125 -13.15,41.375 -12.9,41.625 -11.2,41.625 -10.95,41.875 -10.95,45.675 -10.7,45.925 -8.25,45.925 -7.825,46.35 -4.075,46.35 -3.875,46.55 -3.875,48.075 -4.075,48.275 -17.8,48.275 -18.125,47.95 -18.125,36.125
  region net NetC27_1: -10.275,41.625 -10.525,41.875 -10.525,45.25 -10.275,45.5 -4.9,45.5 -4.65,45.25 -4.65,43.225 -5.125,42.75 -5.125,39.675 -5.375,39.425 -8.4,39.425 -8.65,39.675 -8.65,41.375 -8.9,41.625
  region net +24V_SYS: -12.6,35.3 -12.75,35.45 -12.75,35.975 -12.6,36.125 -12.6,38.225 -12.3,38.525 -12.3,40.9 -12.05,41.15 -9.25,41.15 -9,40.9 -9,38.05 -9.25,37.8 -9.925,37.8 -10.175,37.55 -10.175,35.45 -10.325,35.3
  region net NetFU7_1: -16.275,30.325 -16.275,34.575 -16.025,34.825 -12.925,34.825 -12.65,35.1 -8.775,35.1 -8.625,34.95 -8.625,32.95 -8.875,32.7 -11.75,32.7 -12,32.45 -12,30.325 -12.25,30.075 -16.025,30.075
  region net +3.3V: -10.075,48.625 -10.3,48.85 -10.3,52.225 -10.075,52.45 -7.075,52.45 -7.075,50.225 -7.1,50.2 -7.95,50.2 -8.175,49.975 -8.175,48.85 -8.4,48.625
  region net +3.3V: -5.1,50.4 -5.3,50.2 -7.1,50.2 -7.3,50.4 -7.3,52.225 -7.075,52.45 -5.325,52.45 -5.1,52.225
  region net GND: 27.725,52.575 27.525,52.775 27.525,54.575 27.725,54.775 29.55,54.775 29.775,54.55 29.775,52.8 29.55,52.575
  region net +3.3V: 26.875,54.775 27.075,54.575 27.075,52.775 26.875,52.575 25.05,52.575 24.825,52.8 24.825,54.55 25.05,54.775
Bottom Layer:
  rectangle net 1PAD: 2.3,14.825 3.9,16.675
  rectangle net 2PAD: 21.75,14.825 23.35,16.675
  rectangle net 1GND_IF: -0.45,29.925 0.15,31.625
  rectangle net 2GND_IF: 19,29.925 19.6,31.625
  rectangle net 1GND_IF: 4.975,26.975 6.65,28.675
  rectangle net 2GND_IF: 24.425,26.975 26.1,28.675
  pour cut-out: 24.719,51.03 24.719,52.143 25.251,52.675 24.275,52.675
  pour cut-out: 27.974,51.9 27.974,49.551 27.975,49.55 27.773,49.55
  pour cut-out: 20.75,49.375 22.5,49.375 22.5,50.35 20.75,50.35
  region net +24V: -16.05,26.5 -15.8,26.25 -12.25,26.25 -12,26.5 -12,28.05 -12.25,28.3 -15.8,28.3 -16.05,28.05
  pour cut-out: 26.455,75 26.455,77.8 cw(c26.655,77.8) 26.655,78 29.425,78 cw(c29.425,77.8) 29.625,77.8 29.625,75 cw(c29.425,75) 29.425,74.8 26.655,74.8 cw(c26.655,75)
  pour cut-out: -24.545,75 -24.545,77.8 cw(c-24.345,77.8) -24.345,78 -21.575,78 cw(c-21.575,77.8) -21.375,77.8 -21.375,75 cw(c-21.575,75) -21.575,74.8 -24.345,74.8 cw(c-24.345,75)
  pour cut-out: -29.625,9.1 -29.625,11.9 cw(c-29.425,11.9) -29.425,12.1 -26.655,12.1 cw(c-26.655,11.9) -26.455,11.9 -26.455,9.1 cw(c-26.655,9.1) -26.655,8.9 -29.425,8.9 cw(c-29.425,9.1)
  region net Net2VD1_2: 26.6,14.125 26.6,21.65 26.85,21.9 33.125,21.9 33.375,21.65 33.375,14.125 33.125,13.875 26.85,13.875
  region net Net1VD1_2: 7.15,14.125 7.15,21.65 7.4,21.9 13.675,21.9 13.925,21.65 13.925,14.125 13.675,13.875 7.4,13.875
Ground Plane (plane layer: these items are gaps in the copper):
  region: -7.56,10.5 ccw(c-5.96,10.5) -5.96,8.9 ccw(c-5.96,10.5) -4.36,10.5 ccw(c-5.96,10.5) -5.96,12.1 ccw(c-5.96,10.5)
  region: -4.95,12.975 -2.5,10.525 -2.5,0.05 0.5,0.05 0.5,12.075 -1.95,14.525 -1.95,40.525 -1.6,40.875 1,40.875 1.25,40.625 1.25,39.975 2.125,39.1 14.25,39.1 14.5,38.85 14.5,0.05 17.5,0.05 17.5,40.625 17.75,40.875 20.45,40.875 20.7,40.625 20.7,39.975 21.575,39.1 33.95,39.1 33.95,42.1 21.95,42.1 21.075,42.975 15.875,42.975 15,42.1 2.5,42.1 1.625,42.975 -3.575,42.975 -4.95,41.6
  region: -19.1,0.05 -15.6,0.05 -2.5,0.05 -2.5,25.9 -19.1,25.9
  lines w0.1: -19.1,0.05 -19.1,25.9 -4.925,25.9 -4.925,22.4 -14.875,22.4 -15.6,21.675 -15.6,0.05 -19.1,0.05 ; -4.95,12.975 -4.95,41.6 -3.575,42.975 1.625,42.975 2.5,42.1 15,42.1 15.875,42.975 21.075,42.975 21.95,42.1 33.95,42.1 33.95,39.1 21.575,39.1 20.7,39.975 20.7,40.625 20.45,40.875 17.75,40.875 17.5,40.625 17.5,0.05 14.5,0.05 14.5,38.85 14.25,39.1 2.125,39.1 1.25,39.975 1.25,40.625 1,40.875 -1.6,40.875 -1.95,40.525 -1.95,14.525 0.5,12.075 0.5,0.05 -2.5,0.05 -2.5,10.525 -4.95,12.975
  lines w1: -18.65,25.6 -18.65,44.45 ; -18.65,49.525 -18.65,73.575 33.875,73.575
Power Plane (plane layer: these items are gaps in the copper):
  region: -12.64,10.5 ccw(c-11.04,10.5) -11.04,8.9 ccw(c-11.04,10.5) -9.44,10.5 ccw(c-11.04,10.5) -11.04,12.1 ccw(c-11.04,10.5)
  region: -4.95,12.975 -2.5,10.525 -2.5,0.05 0.5,0.05 0.5,12.075 -1.95,14.525 -1.95,42.325 -1.05,43.225 1.625,43.225 2.5,44.1 14.15,44.1 14.5,43.75 14.5,0.05 17.5,0.05 17.5,42.875 17.85,43.225 21.075,43.225 21.95,44.1 33.95,44.1 33.95,47.1 21.575,47.1 20.7,46.225 20.7,45.575 20.45,45.325 18.15,45.325 17.9,45.575 17.9,46.225 17.025,47.1 2.125,47.1 1.25,46.225 1.25,45.575 1,45.325 -2.275,45.325 -4.95,42.65
  region: -19.1,0.05 -15.6,0.05 -2.5,0.05 -2.5,25.9 -19.1,25.9
  lines w0.1: -19.1,0.05 -19.1,25.9 -4.925,25.9 -4.925,22.4 -14.875,22.4 -15.6,21.675 -15.6,0.05 -19.1,0.05 ; -4.95,12.975 -2.5,10.525 -2.5,0.05 0.5,0.05 0.5,12.075 -1.95,14.525 -1.95,42.325 -1.05,43.225 1.625,43.225 2.5,44.1 14.15,44.1 14.5,43.75 14.5,0.05 17.5,0.05 17.5,42.875 17.85,43.225 21.075,43.225 21.95,44.1 33.95,44.1 33.95,47.1 21.575,47.1 20.7,46.225 20.7,45.575 20.45,45.325 18.15,45.325 17.9,45.575 17.9,46.225 17.025,47.1 2.125,47.1 1.25,46.225 1.25,45.575 1,45.325 -2.275,45.325 -3.725,43.875 -4.95,42.65 -4.95,12.975
  lines w0.3: -16.025,55.825 -13.625,55.825 -13.625,53.45 -11.125,53.45 -11.125,62.075 -16.025,62.075 -16.025,55.825 ; -2.375,22.85 -2.375,24.95 0.35,24.95 0.35,29.35 2.55,29.35 2.55,22.85 0.35,22.85 -2.375,22.85 ; 0.975,53.45 5.875,53.45 5.875,62.075 0.975,62.075 0.975,53.45 ; 17.075,22.85 19.8,22.85 22,22.85 22,29.35 19.8,29.35 19.8,24.95 17.075,24.95 17.075,22.85
  lines w1: -11.475,25.75 -11.475,30.175 -18.65,30.175 -18.65,73.575 33.875,73.575

## Silkscreen, mask and mechanical layers (free items; w line width, h text height)
Res:
  drawing of 217 lines, arcs and shapes, not listed
Board:
  the board outline again, w0.15